# Altium PCB ASCII_LimeSDR-USB_1v4.PcbDoc (part 7 of 10)
Units mm, origin at the board's own origin, x right, y up, seen from the top; angles counter-clockwise.
Board outline 100 x 60 mm, 12 copper layers (Top, L2, L3, L4, L5, L6, L7, L8, L9, L10, L11, Bottom), stack 1.58 mm thick; 858 components, 627 nets, 4063 pads, 2099 vias.
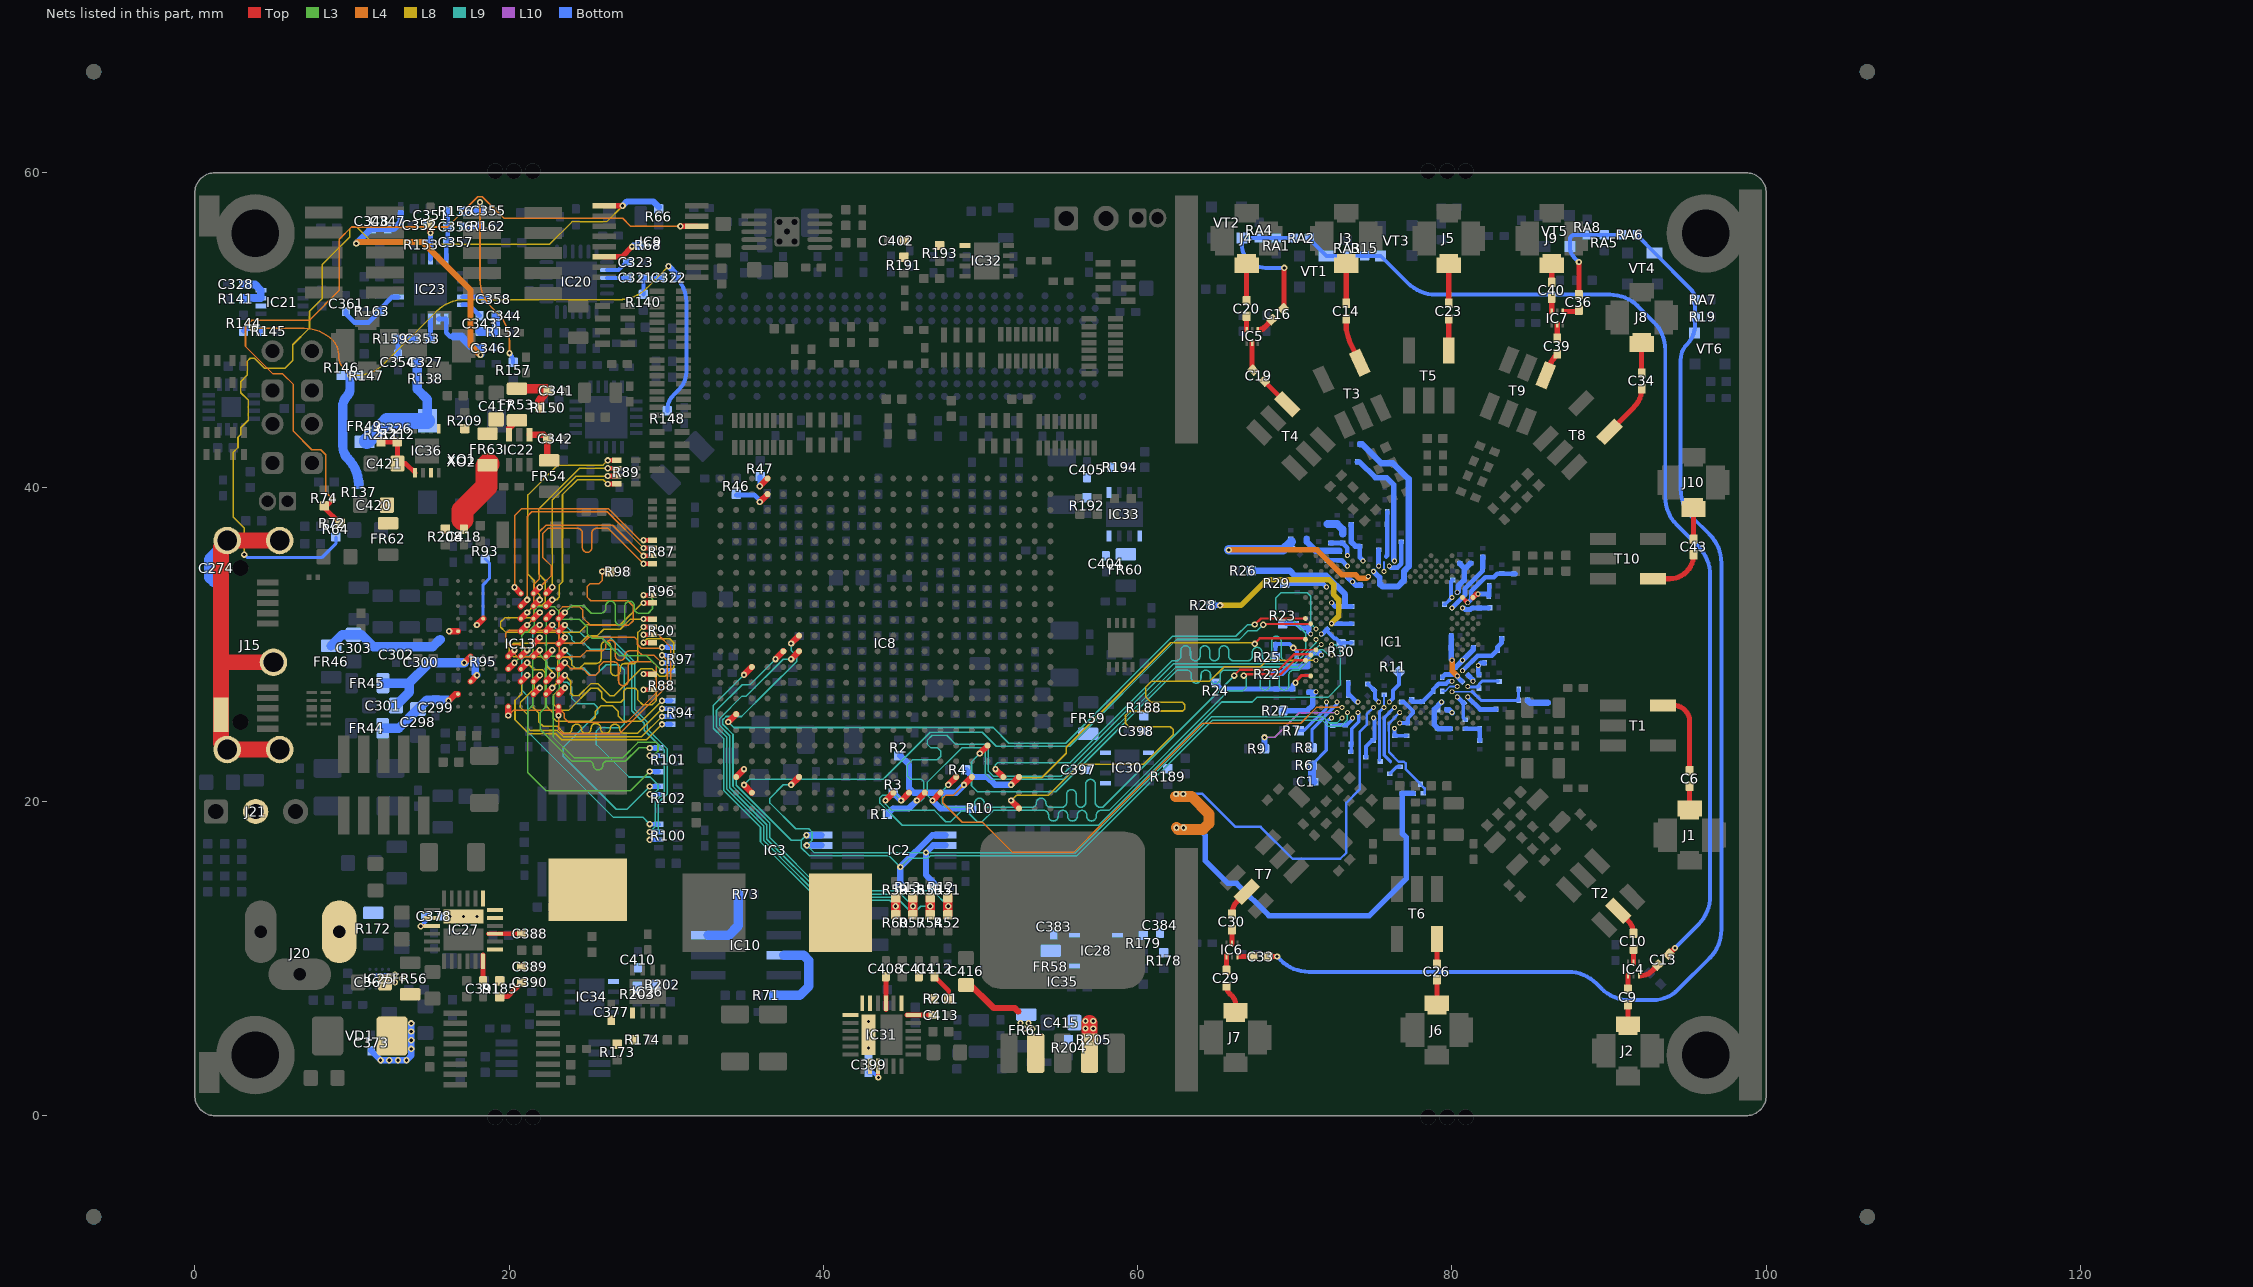
[diagram p15: the nets of this part, all layers, seen from the top]

## Via types
v1: diameter 0.4, hole 0.2, Top to Bottom, tented both sides, 1282 vias
v2: diameter 0.4, hole 0.2, Top to Bottom, tented top, 427 vias
v3: diameter 0.4, hole 0.2, Top to Bottom, 281 vias
v4: diameter 0.31, hole 0.2, Top to Bottom, tented top, 89 vias
v5: diameter 0.5, hole 0.2, Top to Bottom, tented both sides, 20 vias

## Nets (pads, with @x,y where several pads share a name; then routed paths per layer and width w, separated by ;. In a path a pad name is that pad's centre, name@x,y a point inside that pad or via, vN(x,y) a via of type N, cw(c..) or ccw(c..) an arc to the next point about the centre after c; other vN are vias at no path point) (continued)
LMS_DIQ2_D11: IC1.P32 IC8.A3 | length 35.9
  Top w0.4: v2(51.95,20.05) IC8.A3@52.45,19.55
  L8 w0.1: v2(51.95,20.05) 52.3,20.4 54.35,20.4 56.3,22.35 60.35,22.35 62.275,24.275 62.275,24.55 62.075,24.75 59.45,24.75 59.225,24.975 59.225,25.475 59.5,25.75 62.875,25.75 63,25.875 63,26.15 62.85,26.3 60.85,26.3 60.525,26.625 60.525,27.3 60.875,27.65 64.58,27.65 65.505,28.575 67.817,28.575 68.219,28.977 v4(71.348,28.977)
LMS_ENABLE_IQSEL1: IC1.Y32 IC8.C4 | length 40.9
  Top w0.4: v2(50.95,22.05) IC8.C4@51.45,21.55
  L9 w0.1: v2(50.95,22.05) 50.95,22.325 51.075,22.45 55.692,22.45 62.192,28.95 62.45,28.95 ccw(c62.45,29.254) 62.754,29.254 62.754,29.596 cw(c63.058,29.596) 63.058,29.9 cw(c63.058,29.596) 63.362,29.596 63.362,29.254 ccw(c63.666,29.254) 63.666,28.95 ccw(c63.666,29.254) 63.97,29.254 63.97,29.596 cw(c64.274,29.596) 64.274,29.9 cw(c64.274,29.596) 64.578,29.596 64.578,29.254 ccw(c64.882,29.254) 64.882,28.95 ccw(c64.882,29.254) 65.186,29.254 65.186,29.596 cw(c65.49,29.596) 65.49,29.9 cw(c65.49,29.596) 65.794,29.596 65.794,29.254 ccw(c66.098,29.254) 66.098,28.95 66.402,28.95 66.875,28.95 67,28.95 ccw(c67,29.254) 67.304,29.254 67.304,29.494 cw(c67.608,29.494) 67.608,29.798 cw(c67.608,29.494) 67.912,29.494 67.912,29.254 ccw(c68.216,29.254) 68.216,28.95 ccw(c68.216,29.254) 68.52,29.254 68.52,30.208 cw(c68.824,30.208) 68.824,30.512 cw(c68.824,30.208) 69.128,30.208 69.128,29.254 ccw(c69.432,29.254) 69.432,28.95 69.55,28.95 69.925,28.95 70.7,29.725 70.7,30.7 69.9,31.5 69.1,31.5 68.775,31.825 68.775,32.925 69.125,33.275 70.8,33.275 71.023,33.052 71.023,31.3 v4(71.348,30.975)
LMS_ENABLE_IQSEL2: IC1.R33 IC8.C7 | length 35.7
  Top w0.15: v2@66.15,28.025 66.5,28.375 68.975,28.375 69.952,29.352 70.973,29.352 IC1.R33@71.015,29.31
  Top w0.4: v2(47.95,21.05) IC8.C7@48.45,21.55
  L9 w0.1: v2(47.95,21.05) 47.575,20.675 47.575,19.825 47.775,19.625 49.325,19.625 49.358,19.625 ccw(c49.358,19.896) 49.629,19.896 cw(c49.933,19.896) 49.933,20.2 cw(c49.933,19.896) 50.237,19.896 ccw(c50.508,19.896) 50.508,19.625 50.845,19.625 50.925,19.625 53.25,19.625 53.283,19.625 ccw(c53.283,19.896) 53.554,19.896 cw(c53.858,19.896) 53.858,20.2 cw(c53.858,19.896) 54.162,19.896 ccw(c54.433,19.896) 54.433,19.625 54.77,19.625 55.175,19.625 ccw(c55.175,19.929) 55.479,19.929 55.479,20.445 cw(c55.783,20.445) 55.783,20.749 cw(c55.783,20.445) 56.087,20.445 56.087,19.929 ccw(c56.391,19.929) 56.391,19.625 ccw(c56.391,19.929) 56.695,19.929 56.695,21.099 cw(c56.999,21.099) 56.999,21.403 cw(c56.999,21.099) 57.303,21.099 57.303,19.929 ccw(c57.607,19.929) 57.607,19.625 57.65,19.625 57.775,19.625 v2(66.15,28)
LMS_FCLK1: IC1.AA33 IC8.B20 | length 41.8
  Top w0.15: v2@67.991,31.291 71.015,31.291 IC1.AA33@71.015,31.308
  Top w0.4: v2(34.95,21.05) IC8.B20@35.45,20.55
  L9 w0.1: v2(34.95,21.05) 35.3,21.4 43.805,21.4 46.805,24.4 49.25,24.4 50.105,24.4 51.005,23.5 55.675,23.5 62.475,30.3 66.475,30.3 67.025,30.85 67.6,30.85 v2(67.991,31.241)
LMS_FCLK2: IC1.R29 IC8.E5 | length 36.3
  Top w0.4: v2(49.95,23.05) IC8.E5@50.45,23.55
  L9 w0.1: v2(49.95,23.05) 49.425,22.525 49.425,21 49.808,20.617 54.784,20.617 62.442,28.275 62.517,28.35 62.814,28.35 63.118,28.35 cw(c63.118,28.046) 63.422,28.046 63.422,27.83 ccw(c63.726,27.83) 63.726,27.526 ccw(c63.726,27.83) 64.03,27.83 64.03,28.046 cw(c64.334,28.046) 64.334,28.35 cw(c64.334,28.046) 64.638,28.046 64.638,27.788 ccw(c64.942,27.788) 64.942,27.484 ccw(c64.942,27.788) 65.246,27.788 65.246,28.046 cw(c65.55,28.046) 65.55,28.35 67.025,28.35 67.493,28.35 cw(c67.493,28.046) 67.797,28.046 67.797,27.384 ccw(c68.101,27.384) 68.101,27.08 ccw(c68.101,27.384) 68.405,27.384 68.405,28.046 cw(c68.709,28.046) 68.709,28.35 cw(c68.709,28.046) 69.013,28.046 69.013,27.384 ccw(c69.317,27.384) 69.317,27.08 ccw(c69.317,27.384) 69.621,27.384 69.621,28.046 cw(c69.925,28.046) 69.925,28.35 70.261,28.35 71.546,29.635 71.815,29.635 72.14,29.31 v4(72.347,29.31)
LMS_I2C_SCL: IC1.C27 IC2.6 IC3.6 IC8.C17 R12.2 | length 50
  Top w0.4: v2(37.95,21.05) IC8.C17@38.45,21.55
  L9 w0.1: v2(37.95,21.05) 37.455,21.05 36.6,20.195 36.6,19.895 38.245,18.25 39.075,18.25 39.275,18.05 39.275,17.525 v1(38.95,17.2) 39.407,16.743 v1(46.525,16.743) 56.059,16.743 64.691,25.375 71.814,25.375 72.2,24.989 72.688,24.989 v4(73.013,25.314)
  Bottom w0.4: v1(38.95,17.2) IC3.6@39.875,17.2 ; R12.2@47,14.525 47,14.85 46.525,15.325 v1(46.525,16.743) 46.982,17.2 IC2.6@47.775,17.2
LMS_I2C_SDA: IC1.D26 IC2.5 IC3.5 IC8.C21 R13.2 | length 54.3
  Top w0.4: IC8.C21@34.45,21.55 v1(34.95,22.05)
  L9 w0.1: v1(34.95,22.05) 34.45,21.55 34.45,21.033 37.958,17.525 38.6,17.525 ; v1(38.925,17.85) 38.6,17.525 ; v4(73.346,25.647) 73.338,25.639 73.338,25.18 72.948,24.789 72.117,24.789 71.731,25.175 64.775,25.175 56.143,16.543 46.82,16.543 46.652,16.375 45.45,16.375 v1(44.9,15.825) 44.182,16.543 39.112,16.543 38.6,17.055 38.6,17.525
  Bottom w0.4: v1(38.925,17.85) IC3.5@39.875,17.85 ; R13.2@44.9,14.525 v1(44.9,15.825) 46.925,17.85 IC2.5@47.775,17.85
LMS_MCLK1: IC1.AB34 IC8.G21 | length 41.3
  Top w0.15: v2(67.45,31.25) 67.841,31.641 IC1.AB34@70.682,31.641
  Top w0.4: v2(33.95,25.05) IC8.G21@34.45,25.55
  L9 w0.1: v2(33.95,25.05) 34.3,24.7 50.805,24.7 51.805,23.7 55.425,23.7 62.225,30.5 66.25,30.5 67,31.25 v2(67.45,31.25)
LMS_MCLK2: IC1.P34 IC8.B11 | length 36.1
  Top w0.15: v2(66.75,28) 66.85,28.1 69.125,28.1 70.002,28.977 IC1.P34@70.682,28.977
  Top w0.4: v2(43.95,20.05) IC8.B11@44.45,20.55
  L9 w0.1: v2(43.95,20.05) 43.95,19.825 44.35,19.425 47.07,19.425 47.795,18.7 48.095,18.7 48.795,19.4 49.095,19.4 49.795,18.7 50.1,18.7 50.825,19.425 54.025,19.425 cw(c54.025,19.121) 54.329,19.121 54.329,19.054 ccw(c54.633,19.054) 54.633,18.75 ccw(c54.633,19.054) 54.937,19.054 54.937,19.121 cw(c55.241,19.121) 55.241,19.425 cw(c55.241,19.121) 55.545,19.121 55.545,19.054 ccw(c55.849,19.054) 55.849,18.75 ccw(c55.849,19.054) 56.153,19.054 56.153,19.121 cw(c56.457,19.121) 56.457,19.425 cw(c56.457,19.121) 56.761,19.121 56.761,19.054 ccw(c57.065,19.054) 57.065,18.75 ccw(c57.065,19.054) 57.369,19.054 57.369,19.121 cw(c57.673,19.121) 57.673,19.425 57.775,19.425 58.175,19.425 65.8,27.05 66.725,27.05 66.9,27.225 66.9,27.85 v2(66.75,28)
LMS_RESET: IC1.E27 IC8.C6 R2.1 | length 39.4
  Top w0.4: v2(48.95,21.05) IC8.C6@49.45,21.55
  L4 w0.1: v2(48.95,21.05) 48.3,20.4 47.805,20.4 47.6,20.195 47.6,19.905 48.83,18.675 50.125,18.675 52.05,16.75 55.914,16.75 57.715,18.551 57.715,18.565 64.125,24.975 70.375,24.975 71.38,25.98 v4(73.013,25.98)
  Bottom w0.39: 47.743,20.55 48.45,20.55 v2(48.95,21.05)
  Bottom w0.4: R2.1@44.9,22.9 45.45,22.35 45.45,20.843 45.743,20.55 47.743,20.55
LMS_RXEN: IC1.V34 IC8.C3 R4.2 | length 26.9
  Top w0.15: v1@67.45,30.05 67.774,30.374 70.682,30.374 IC1.V34@70.682,30.309
  Top w0.4: v2(51.95,21.05) IC8.C3@52.45,21.55
  L8 w0.1: v2(51.95,21.05) 52.021,21.05 52.471,21.5 53.895,21.5 55.45,23.055 55.45,23.45 62.1,30.1 67.4,30.1 v1@67.45,30.05
  Bottom w0.4: R4.2@49.05,22 49.5,21.55 50.425,21.55 50.925,21.05 v2(51.95,21.05)
  other v1: 67.45,30.025
LMS_TXEN: IC1.U29 IC8.B10 R3.2 | length 39.8
  Top w0.4: v2(44.95,20.05) IC8.B10@45.45,20.55
  L9 w0.1: v2(44.95,20.05) 44.6,20.4 43.775,20.4 43.6,20.225 43.6,19.892 45.017,18.475 57.508,18.475 65.358,26.325 67.3,26.325 67.613,26.638 72.138,26.638 72.9,27.4 72.9,29.653 72.577,29.976 v4(72.347,29.976)
  Bottom w0.4: R3.2@44.45,20.55 v2(44.95,20.05)
LMS_TXNRX1: IC1.V32 IC8.B9 R1.1 | length 41
  Top w0.4: v2(45.95,20.05) IC8.B9@46.45,20.55
  L9 w0.1: v2(45.95,20.05) 46.25,20.05 46.4,20.2 46.4,21.25 46.25,21.4 45.555,21.4 45.325,21.63 45.325,22.3 45.675,22.65 47.25,22.65 47.475,22.875 47.475,23.2 47.275,23.4 46.85,23.4 46.6,23.65 46.6,23.875 46.925,24.2 47.85,24.2 48.425,23.625 50.35,23.625 50.5,23.475 50.5,21.925 50.825,21.6 55.125,21.6 62.275,28.75 70.008,28.75 71.348,30.09 v4(71.348,30.309)
  Bottom w0.4: R1.1@44.075,19.175 44.45,19.55 45.45,19.55 v2(45.95,20.05)
LMS_TXNRX2: IC1.U31 IC8.B8 R10.2 | length 35.9
  Top w0.4: v2(46.95,20.05) IC8.B8@47.45,20.55
  L9 w0.1: v2(46.95,20.05) 46.6,20.4 46.6,21.195 48.83,23.425 50.07,23.425 50.3,23.195 50.3,21.775 50.675,21.4 55.284,21.4 62.434,28.55 70.178,28.55 71.605,29.976 v4(71.681,29.976)
  Bottom w0.4: v2(46.95,20.05) 47.45,19.55 R10.2@49.45,19.55
MSEL0: IC8.M17 R51.1 R52.2 | length 31.2
  Top w0.4: v2(37.95,30.05) IC8.M17@38.45,30.55
  Top w0.6: R52.2@47.925,12.775 R51.1@47.925,13.875
  L9 w0.1: v2(37.95,30.05) 37.95,29.6 38.3,29.25 38.3,28.905 36.5,27.105 34.795,25.4 33.805,25.4 33.6,25.195 33.6,24.905 34.25,24.255 34.25,20.95 36.6,18.6 36.6,17.68 39.98,14.3 46.975,14.3 v1(47.95,13.325)
MSEL1: IC8.L18 R53.1 R54.2 | length 29.1
  Top w0.4: v2(36.95,29.05) IC8.L18@37.45,29.55
  Top w0.6: R54.2@46.8,12.775 v1(46.8,13.325) R53.1@46.8,13.875
  L9 w0.1: v2(36.95,29.05) 35.325,27.425 34.83,27.425 33.2,25.795 33.2,24.739 33.85,24.089 33.85,20.784 36.2,18.434 36.2,17.514 37.3,16.414 37.3,16.4 39.8,13.9 44.63,13.9 45.555,12.975 45.845,12.975 46.195,13.325 v1(46.8,13.325)
MSEL2: IC8.L17 R56.1 R57.2 | length 27.9
  Top w0.4: v2(37.95,29.05) IC8.L17@38.45,29.55
  Top w0.6: R57.2@45.7,12.775 v1(45.7,13.325) R56.1@45.7,13.875
  L9 w0.1: v2(37.95,29.05) 37.445,29.05 35.095,26.7 34.822,26.7 33.4,25.278 33.4,24.822 34.05,24.172 34.05,20.867 36.4,18.517 36.4,17.597 39.897,14.1 44.925,14.1 v1(45.7,13.325)
MSEL3: IC8.K20 R59.1 R60.2 | length 24.8
  Top w0.4: v2(34.95,28.05) IC8.K20@35.45,28.55
  Top w0.6: R60.2@44.6,12.775 v1(44.6,13.325) R59.1@44.6,13.875
  L9 w0.1: v2(34.95,28.05) 33,26.1 33,24.656 33.65,24.007 33.65,20.701 36,18.351 36,17.417 39.717,13.7 44.225,13.7 v1(44.6,13.325)
NetC1_1: C1.1 IC1.C29 R6.1 | length 4.6
  Bottom w0.2: R6.1@71.201,22.369 71.201,22.444 72.001,23.244 72.001,25.057 72.143,25.199 72.231,25.199 v4(72.347,25.314)
  Bottom w0.5: R6.1@71.1,22.3 71.1,21.351 C1.1@71.2,21.251
NetC6_1: C6.1 J1.1 | length 1.5
  Top w0.325: J1.1@95.125,19.45 J1.1@95.125,19.55 C6.1@95.125,20.95
NetC6_2: C6.2 T1.4 | length 5.4
  Top w0.325: T1.4@93.435,26.104 94.111,26.104 cw(c94.111,25.09) 95.125,25.09 C6.2@95.125,21.95
NetC9_1: C9.1 J2.1 | length 1.2
  Top w0.325: J2.1@91.2,5.825 C9.1@91.2,7.05
NetC9_2: C9.2 IC4.1 | length 0.9
  Top w0.325: C9.2@91.2,8.05 IC4.1@91.2,8.988
NetC10_1: C10.1 IC4.5 | length 0.9
  Top w0.325: IC4.5@91.55,9.663 C10.1@91.55,10.6
NetC10_2: C10.2 T2.2 | length 1.8
  Top w0.325: T2.2@90.59,13.039 91.211,12.418 cw(c90.393,11.6) C10.2@91.55,11.6
NetC13_1: C13.1 IC4.3 | length 1.3
  Top w0.325: 92,8.9 ccw(c92,9.926) 92.726,9.201 C13.1@93.1,9.575
NetC13_2: C13.2 R15.1 RA2.1 RA3.2 VT1.1 VT3.2 | length 66.3
  Top w0.325: C13.2@93.807,10.282 v1(94.2,10.675)
  Bottom w0.254: RA2.1@70.925,55.85 ccw(c71.046,55.85) 70.96,55.765 VT1.1@72.013,54.712 RA3.2@73.345,54.712 R15.1@74.445,54.712 VT3.2@75.47,54.712 77.188,52.994 ccw(c78.984,54.79) 78.984,52.25 90.048,52.25 cw(c90.048,49.71) 91.844,51.506 92.831,50.519 cw(c91.035,48.723) 93.575,48.723 93.575,39.377 ccw(c96.115,39.377) 94.319,37.581 95.681,36.219 cw(c93.885,34.423) 96.425,34.423 96.425,13.952 cw(c93.885,13.952) 95.681,12.156 v1(94.2,10.675)
NetC14_1: C14.1 J3.1 | length 2.6
  Top w0.325: C14.1@73.275,51.7 J3.1@73.275,54.225 J3.1@73.275,54.125
NetC14_2: C14.2 T3.6 | length 3
  Top w0.325: C14.2@73.275,50.7 73.275,50.025 73.375,49.6 73.475,49.3 T3.6@74.131,47.917
NetC16_1: C16.1 RA1.1 RA2.2 RA4.2 VT2.2 | length 9.9
  Top w0.325: C16.1@69.257,51.357 ccw(c69.093,51.521) 69.325,51.521 v1(69.325,53.95)
  Bottom w0.254: v1(69.325,53.95) 68.15,53.95 cw(c68.15,55.475) 66.625,55.475 VT2.2@66.625,55.85 RA4.2@67.725,55.85 RA2.2@69.925,55.85
NetC16_2: C16.2 IC5.1 | length 1.1
  Top w0.35: 67.734,50.009 ccw(c67.734,50.431) 68.032,50.132 C16.2@68.55,50.65
NetC19_1: C19.1 IC5.5 | length 1.8
  Top w0.325: IC5.5@67.284,49.246 IC5.5@67.284,49.159 67.284,47.613 ccw(c67.525,47.613) C19.1@67.354,47.442
NetC19_2: C19.2 T4.3 | length 2.1
  Top w0.325: C19.2@68.061,46.735 T4.3@69.527,45.269 ; T4.3@69.503,45.294 T4.3@69.527,45.269 ; T4.3@69.552,45.244 T4.3@69.527,45.269
NetC20_1: C20.1 J4.1 | length 2.3
  Top w0.325: C20.1@66.934,51.859 J4.1@66.934,54.125
NetC20_2: C20.2 IC5.3 | length 0.9
  Top w0.325: IC5.3@66.934,49.921 C20.2@66.934,50.859
NetC23_1: C23.1 J5.1 | length 2.5
  Top w0.325: C23.1@79.8,51.7 J5.1@79.8,54.225
NetC23_2: C23.2 T5.6 | length 2.4
  Top w0.325: T5.6@79.796,49.059 T5.6@79.796,48.682 79.796,50.696 C23.2@79.8,50.7
NetC26_1: C26.1 J6.1 | length 1.5
  Top w0.325: J6.1@79.04,7.15 C26.1@79.04,8.65
NetC26_2: C26.2 T6.4 | length 1.6
  Top w0.325: C26.2@79.04,9.65 ccw(c79.015,9.675) C26.2@79.051,9.675 ; C26.2@79.051,9.65 T6.4@79.051,11.244
NetC29_1: C29.1 J7.1 | length 1.8
  Top w0.325: C29.1@65.65,8.25 ccw(c66.314,8.25) 65.844,7.781 66.025,7.6 cw(c65.542,7.117) 66.225,7.117 J7.1@66.225,6.675
NetC29_2: C29.2 IC6.1 | length 0.9
  Top w0.325: C29.2@65.65,9.275 IC6.1@65.65,10.212
NetC30_1: C30.1 IC6.5 | length 0.9
  Top w0.325: IC6.5@66,10.888 C30.1@66,11.825
NetC30_2: C30.2 T7.2 | length 1.8
  Top w0.325: C30.2@66,12.825 cw(c67.162,12.825) 66.34,13.647 T7.2@66.945,14.251
NetC33_1: C33.1 IC6.3 | length 0.9
  Top w0.325: 66.45,10.125 C33.1@67.325,10.125
NetC33_2: C33.2 R19.1 RA6.1 RA7.2 VT4.1 VT6.2 | length 78.6
  Top w0.325: C33.2@68.325,10.125 v1(68.875,10.125)
  Bottom w0.254: v1(68.875,10.125) 69.106,9.894 ccw(c70.902,11.69) 70.902,9.15 87.398,9.15 cw(c87.398,6.61) 89.194,8.406 89.506,8.094 ccw(c91.302,9.89) 91.302,7.35 92.775,7.35 ccw(c92.775,9.644) 94.397,8.022 96.406,10.031 ccw(c94.61,11.827) 97.15,11.827 97.15,35.173 ccw(c94.61,35.173) 96.406,36.969 95.294,38.081 cw(c97.09,39.877) 94.55,39.877 94.55,48.1 cw(c95.938,48.1) 94.957,49.082 ccw(c93.705,50.333) 95.475,50.333 R19.1@95.475,50.825 RA7.2@95.475,51.925 ccw(c94.509,51.925) 95.192,52.608 VT4.1@92.888,54.912 RA6.1@91.835,55.965
NetC34_1: C34.1 J8.1 | length 1.9
  Top w0.325: C34.1@92.076,47.255 J8.1@92.075,49.2
NetC34_2: C34.2 T8.6 | length 3.5
  Top w0.325: T8.6@90.025,43.527 91.597,45.099 ccw(c90.441,46.255) C34.2@92.076,46.255
NetC36_1: C36.1 RA5.1 RA6.2 RA8.2 VT5.2 | length 7.2
  Top w0.325: C36.1@88.075,52.175 C36.1@88.075,52.25 v1(88.075,54.325)
  Bottom w0.254: v1(88.075,54.325) 87.783,54.617 cw(c88.466,55.3) VT5.2@87.5,55.3 87.5,55.75 cw(c87.8,55.75) 87.8,56.05 RA8.2@88.6,56.05 RA5.1@89.7,56.05 RA6.2@90.8,56.05
NetC36_2: C36.2 IC7.1 | length 0.9
  Top w0.325: 87.15,51.175 C36.2@88.075,51.175
NetC39_1: C39.1 IC7.5 | length 0.9
  Top w0.325: C39.1@86.7,49.475 IC7.5@86.7,50.412
NetC39_2: C39.2 T9.3 | length 1.6
  Top w0.35: T9.3@85.969,47.113 86.325,47.975 86.45,48.15 C39.2@86.7,48.475
NetC40_1: C40.1 J9.1 | length 1.2
  Top w0.325: C40.1@86.35,53.025 J9.1@86.35,54.225
NetC40_2: C40.2 IC7.3 | length 0.9
  Top w0.325: IC7.3@86.35,51.088 C40.2@86.35,52.025
NetC43_1: C43.1 J10.1 | length 1.9
  Top w0.325: J10.1@95.375,38.6 95.38,38.6 C43.1@95.38,36.693
NetC43_2: C43.2 T10.6 | length 3.5
  Top w0.325: T10.6@92.784,34.168 93.855,34.168 ccw(c93.855,35.693) C43.2@95.38,35.693
NetC44_1: C44.1 C45.1 IC1.AH30 R29.2 | length 2.6
  Bottom w0.3: R29.2@69.551,33.869 71.785,33.869 v4(72.014,33.639)
NetC46_1: C46.1 C47.1 IC1.T32 R25.2 | length 4.7
  Top w0.11: v1(69.901,29.769) 70.023,29.646 IC1.T32@71.345,29.646
  Bottom w0.11: R25.2@68.751,29.319 C46.1@68.751,29.924
  Bottom w0.25: R25.2@68.751,29.319 68.781,29.349 C46.1@68.781,29.954 ; C46.1@68.781,30.044 C46.1@68.781,29.954 ; C47.1@70.131,29.219 70.131,29.539 69.651,30.019 68.846,30.019 C46.1@68.781,29.954
NetC48_1: C48.1 C49.1 IC1.AE29 R26.1 | length 8.7
  Bottom w0.3: v4(72.347,32.64) 72.589,32.399 C49.1@73.626,32.399
  Bottom w0.4: R26.1@67.225,34.675 69.695,34.675 70.006,34.364 72.006,34.364 73.201,33.169 73.201,32.469
NetC50_1: C50.1 C51.1 IC1.R31 R22.1 | length 4.1
  Bottom w0.35: 71.548,29.444 v4(71.681,29.31)
  Bottom w0.37: R22.1@68.501,28.169 69.201,28.169 69.624,28.591 C51.1@70.801,28.591 70.801,29.144 71.116,29.459 71.533,29.459 71.548,29.444
NetC52_1: C52.1 C53.1 IC1.W31 R30.2 | length 2.6
  Bottom w0.2: R30.2@72.951,30.019 73.026,30.094 C52.1@73.646,30.094
  Bottom w0.25: C53.1@72.049,30.946 72.049,30.84 72.525,30.364 72.631,30.364 72.951,30.044 R30.2@72.951,30.019
  Bottom w0.3: v4(71.681,30.642) 71.746,30.642 C53.1@72.049,30.946
NetC54_1: C54.1 C55.1 IC1.H32 R27.2 | length 3.3
  Bottom w0.35: R27.2@69.251,25.769 70.785,25.769 71.156,26.14 71.156,26.787 71.307,26.939 C54.1@70.9,26.939
  other v4: 71.348,26.979
NetC56_1: C56.1 C57.1 IC1.W33 R23.2 | length 2
  Bottom w0.3: R23.2@69.426,31.319 C56.1@70.096,31.319 70.101,31.314 70.376,31.039 C57.1@70.876,31.039 70.876,30.781 v4(71.015,30.642)
NetC58_1: C58.1 C59.1 IC1.AA29 R28.1 | length 12.7
  L8 w0.35: v1(65.25,32.475) 66.575,32.475 68.189,34.089 72.2,34.089 72.464,33.826 72.464,33.16 72.797,32.827 72.797,31.788 72.347,31.338 v4(72.347,31.308)
  Bottom w0.3: v4(72.347,31.308) 73.616,31.308 C59.1@73.626,31.299
  Bottom w0.35: R28.1@64.675,32.475 v1(65.25,32.475)
NetC60_1: C60.1 C61.1 IC1.L33 R24.1 | length 6.8
  Top w0.2: v1(70.05,27.55) 70.05,27.625 70.445,28.02 71.015,28.02 IC1.L33@71.015,27.978
  Bottom w0.3: R24.1@64.975,27.525 65.35,27.15 68.375,27.15 68.376,27.149 C61.1@69.876,27.149 69.876,27.376 v1(70.05,27.55)
NetC62_1: C62.1 FR2.2 IC1.C25 | length 1.4
  Bottom w0.25: FR2.2@72.501,24.849 73.301,24.849 73.679,25.227 v4(73.679,25.314)
NetC63_1: C63.1 IC1.D24 R31.1 | length 2.7
  Bottom w0.22: R31.1@73.581,23.129 C63.1@73.581,23.644 ; C63.1@73.631,23.644 73.631,24.624 74.064,25.057 74.064,25.595 v4(74.012,25.647)
NetC64_1: C64.1 FR1.1 IC1.F8 R32.1 | length 2.8
  Bottom w0.35: v4(79.34,26.313) 78.876,25.849 78.876,24.874 C64.1@79.125,24.624 FR1.1@79.901,24.624
NetC65_1: C65.1 FR4.2 IC1.F24 | length 1.6
  Bottom w0.3: FR4.2@73.406,27.544 C65.1@73.406,26.769 73.492,26.769 73.947,26.313 v4(74.012,26.313)
NetC66_1: C66.1 FR7.1 IC1.E21 | length 53.4
  L4 w0.7: v1@62.394,20.325 63.425,20.325 64.55,19.2 64.522,19.172 64.55,19.144 64.55,18.606 64.169,18.225 62.575,18.225 v1(62.475,18.325)
  Bottom w0.15: v1@62.35,20.475 v1(62.45,20.475) v1(62.9,20.475) 64.128,20.475 66.226,18.377 67.822,18.377 69.85,16.35 72.897,16.35 73.27,16.722 73.27,19.902 74.126,20.758 74.126,24.419 74.572,24.865 74.572,25.541 v4(75.011,25.98)
  Bottom w0.35: v1(62.475,18.325) v1(62.925,18.325) 63.825,18.325 64.3,17.85 64.3,16.224 65.749,14.775 66.3,14.775 68.35,12.725 74.745,12.725 77.081,15.061 77.081,17.727 76.839,17.969 FR7.1@76.839,20.525 76.86,20.504 C66.1@77.544,20.504
NetC67_1: C67.1 FR6.1 IC1.D16 | length 7
  Bottom w0.15: 75.993,24.968 75.993,23.132 76.6,22.525 76.948,22.525 77.05,22.422 77.05,22.052 78,21.101 FR6.1@78,21.089 78.262,20.827 C67.1@78.262,20.525
  Bottom w0.17: 75.989,24.493 75.983,24.499 75.983,24.958 75.993,24.968 v4(76.675,25.65)
NetC68_1: C68.1 FR3.1 IC1.E17 | length 4.7
  Bottom w0.2: C68.1@76.05,21.755 76.495,22.2 FR3.1@76.7,22.2 ; 76.1,22.525 75.693,22.932 75.693,25.33 v4(76.343,25.98)
NetC69_1: C69.1 FR5.2 IC1.AL21 | length 13.4
  Bottom w0.35: v4(75.011,34.638) 75.401,34.248 75.401,33.794
  Bottom w0.4: FR5.2@74.15,42.725 74.301,42.725 75.506,41.52 76.226,41.52 77.222,40.524 77.251,40.524 77.251,34.95 76.95,34.649 76.95,34.067 76.552,33.669 75.606,33.669 75.431,33.844
NetC70_1: C70.1 FR12.1 IC1.G3 | length 2.1
  Bottom w0.3: v4(81.005,26.646) 81.005,26.631 81.787,25.849 FR12.1@82.801,25.849
NetC71_1: C71.1 FR9.2 IC1.M4 | length 3.6
  Bottom w0.3: v4(80.672,28.311) 81.629,29.269 82.546,29.269 C71.1@82.896,29.619 82.896,29.821 83.156,30.081 FR9.2@83.156,30.369
NetC72_1: C72.1 FR10.2 IC1.H6 | length 5.2
  Bottom w0.11: v4(80.006,26.979) 81.296,26.979
  Bottom w0.2: 81.296,26.979 81.85,26.425 FR10.2@84.25,26.425 84.246,26.429 C72.1@84.246,27.144
NetC73_1: C73.1 FR8.1 IC1.B16 | length 2.4
  Bottom w0.25: v4(76.676,24.981) 76.688,24.994 FR8.1@77.196,24.994 77.196,25.289 77.531,25.624 77.531,25.744 76.956,26.319 C73.1@76.794,26.319
NetC74_1: C74.1 FR10.1 R33.1 | length 1.4
  Bottom w0.4: FR10.1@84.81,26.425 84.963,26.272 85.279,26.272 86.087,26.272 C74.1@86.094,26.279
NetC75_1: C75.1 FR11.1 IC1.A17 | length 1.3
  Bottom w0.25: v4(76.343,24.648) 76.343,24.182 C75.1@76.351,24.174 FR11.1@77.126,24.174
NetC76_1: C76.1 FR13.1 IC1.E19 | length 4.3
  Bottom w0.11: v4(75.677,25.98) C76.1@75.677,26.794
  Bottom w0.2: FR13.1@75.393,22.607 75.393,25.696 v4(75.677,25.98)
NetC77_1: C77.1 IC1.J3 R36.1 | length 2.2
  Bottom w0.19: v4(81.005,27.312) 81.042,27.275 81.703,27.275 R36.1@81.721,27.294
  Bottom w0.2: R36.1@81.721,27.294 81.721,27.446 81.944,27.669 82.931,27.669 C77.1@82.95,27.65
NetC78_1: C78.1 FR17.1 IC1.C21 | length 2.8
  Bottom w0.24: FR17.1@74.976,23.874 75.073,23.971 75.073,25.252 v4(75.011,25.314)
  Bottom w0.25: C78.1@74.531,22.806 74.531,23.487 74.918,23.874 FR17.1@74.976,23.874
NetC79_1: C79.1 IC1.F20 R35.2 | length 1.4
  Bottom w0.25: R35.2@74.651,27.469 75.106,27.014 75.106,26.551 v4(75.344,26.313)
NetC80_2: C80.2 FR14.2 IC1.K6 R34.2 | length 3.3
  Bottom w0.27: C80.2@77.376,26.464 77.498,26.342 FR14.2@78.126,26.342 78.796,27.012 78.796,27.019 78.796,27.116 79.164,27.484 79.634,27.484 79.795,27.645 v4(80.006,27.645)
NetC81_1: C81.1 FR16.2 FR18.2 IC1.L5 R37.2 | length 4.2